# Altium PCB F767最小系统V2.0.PcbDoc
Units mm, origin at the board's own origin, x right, y up, seen from the top; angles counter-clockwise.
Board outline 80 x 80 mm, 2 copper layers (Top Layer, Bottom Layer); 61 components, 160 nets, 489 pads, 141 vias.
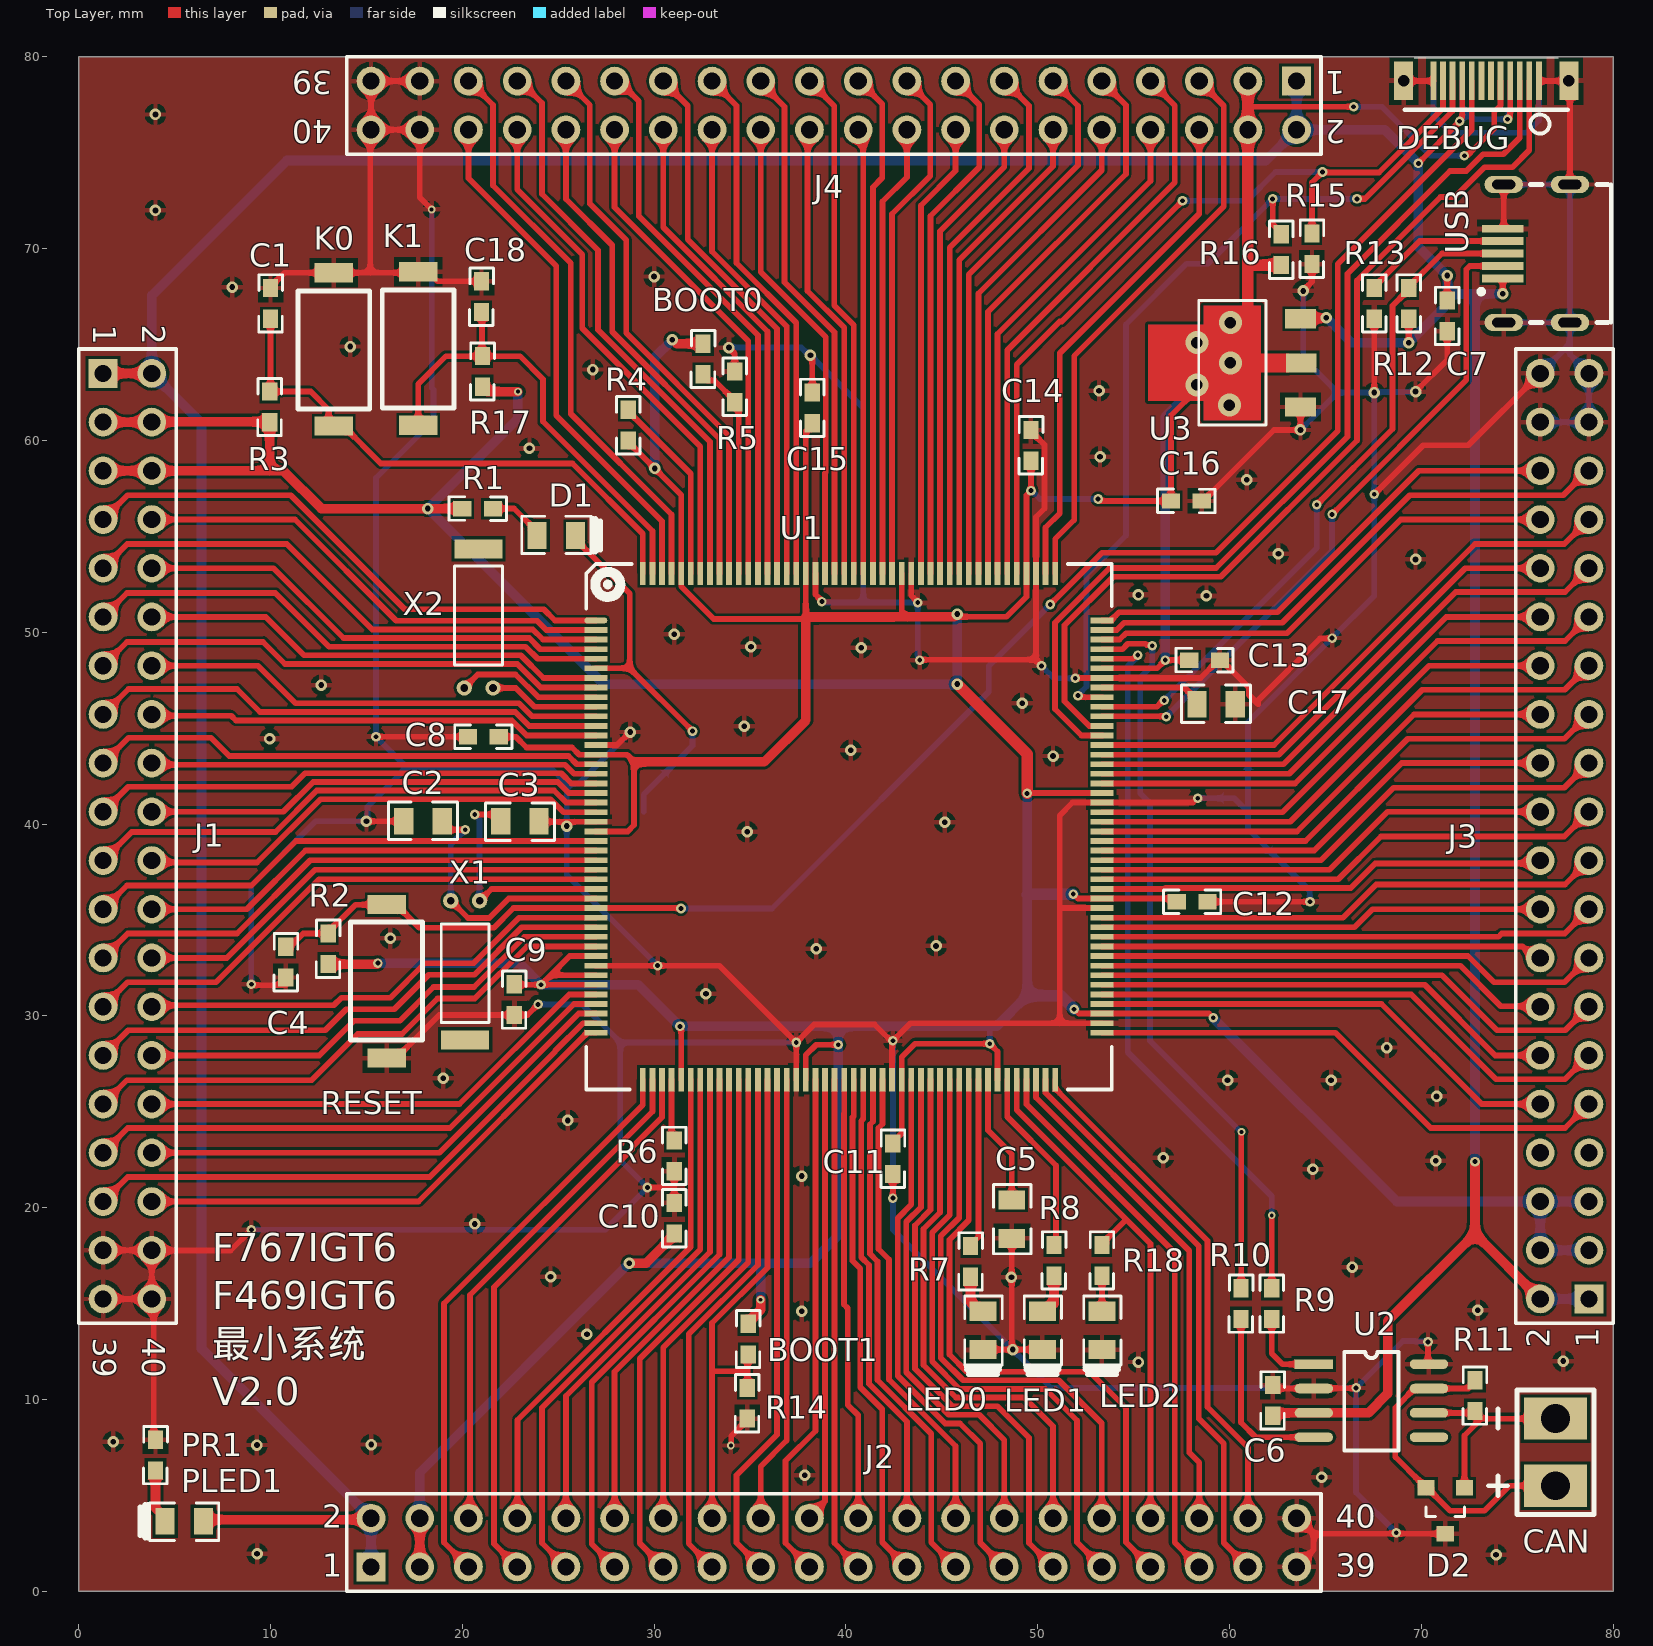
[diagram p0: Top Layer view]
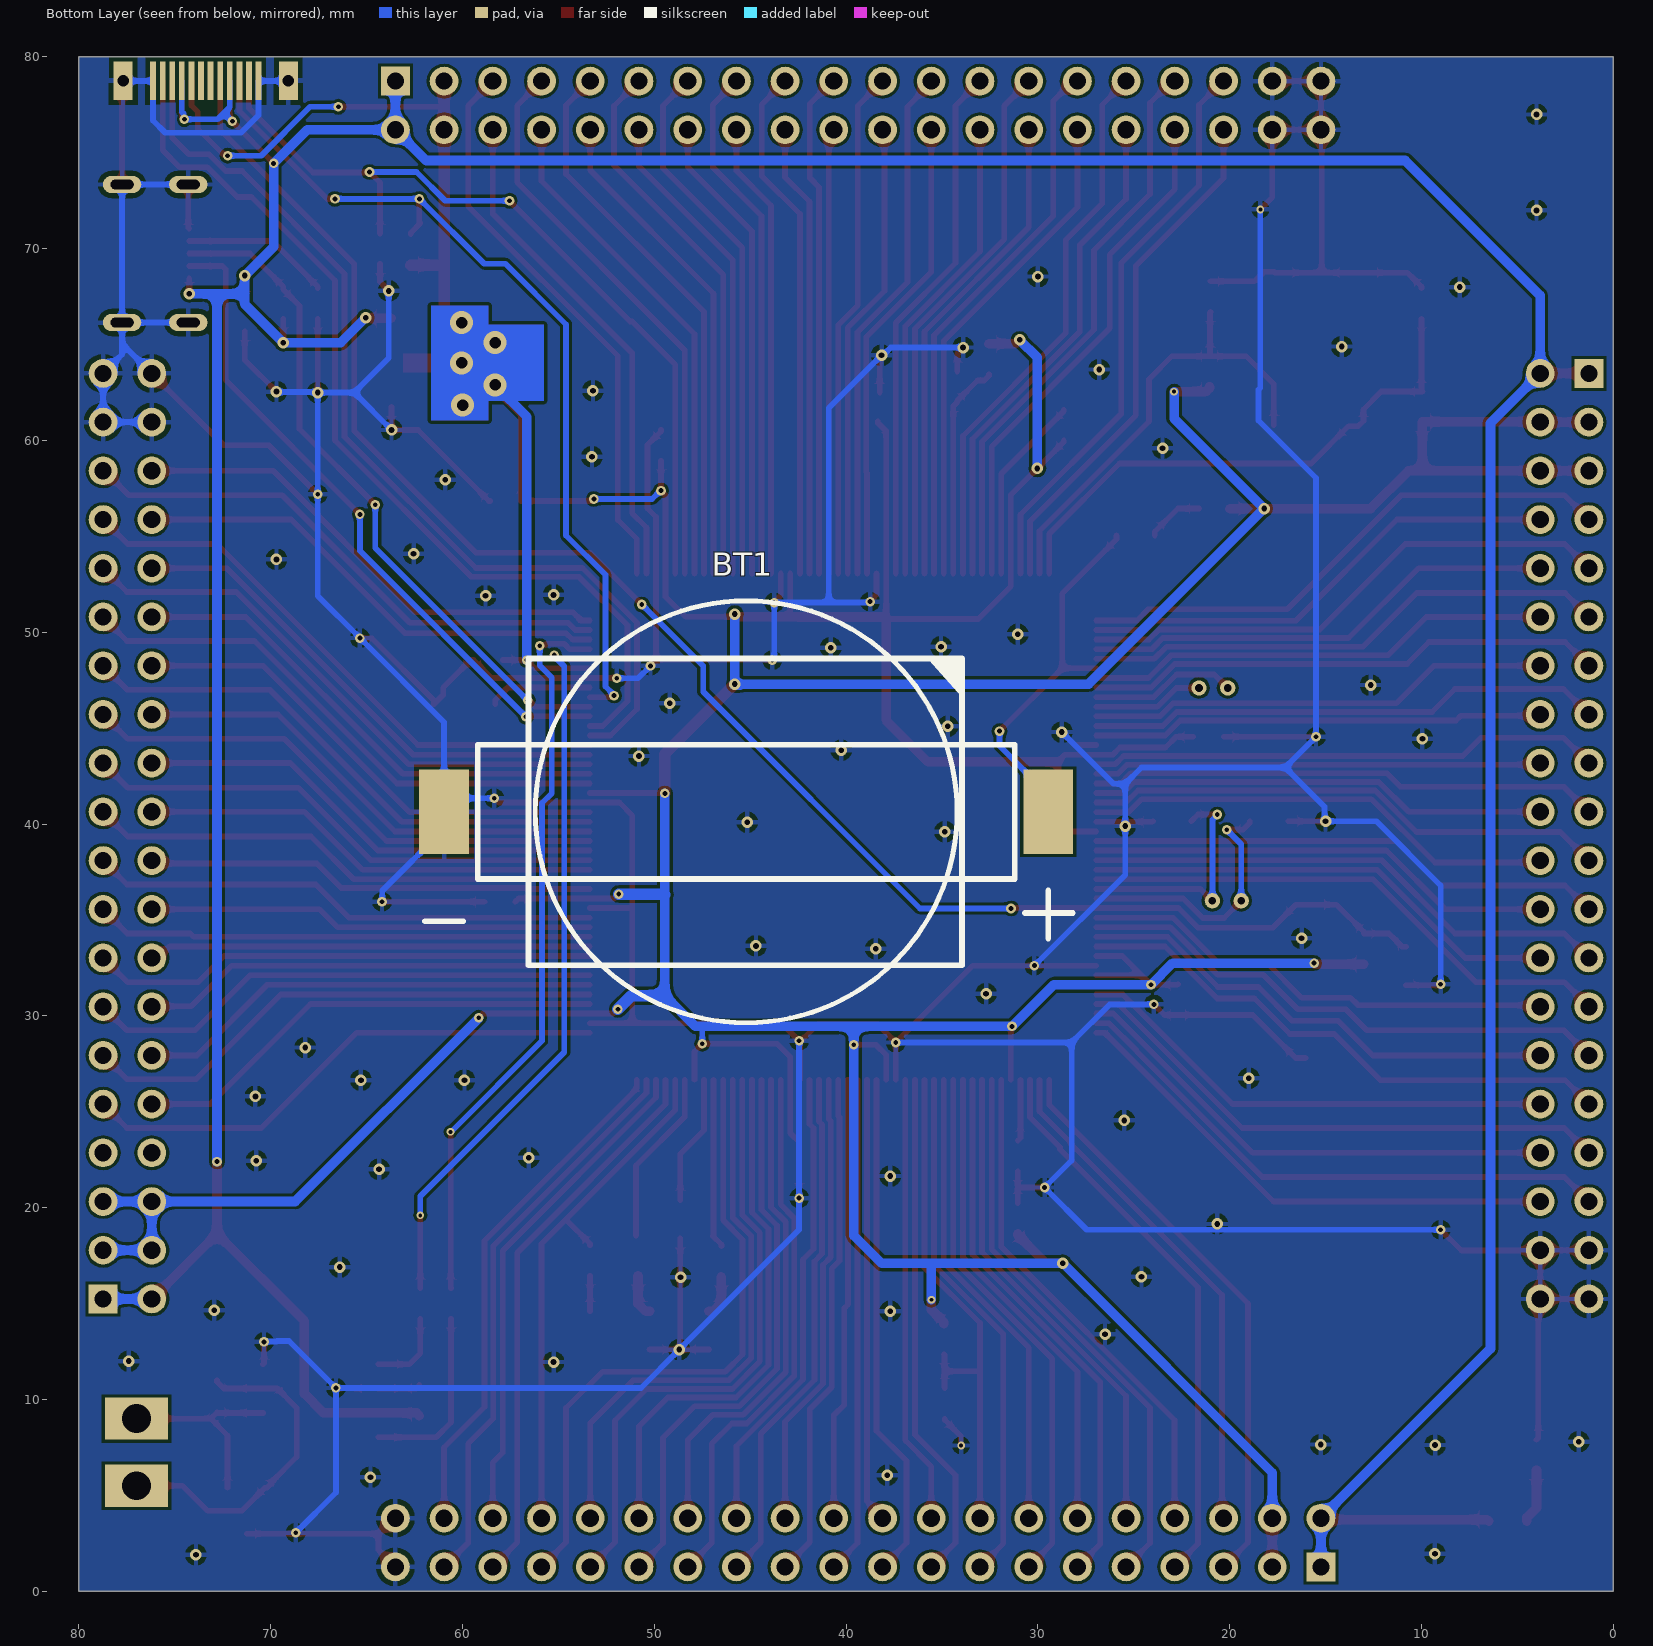
[diagram p1: Bottom Layer view, seen from below]

## Layer stack, top to bottom
Top Solder: solder mask 0.0102, Solder Resist, Dk 3.5
Top Layer: signal copper 0.0356
Dielectric 1: dielectric 0.32, FR-4, Dk 4.8
Bottom Layer: signal copper 0.0356
Bottom Solder: solder mask 0.0102, Solder Resist, Dk 3.5

## Board outline
0,0 0,80 80,80 80,0

## Design rules (kind name [scope] priority, off if disabled: settings)
Clearance [All] p1: gap=0.15 ignorepadtopadclearanceinfootprint=FALSE
HoleToHoleClearance [All] p1: gap=0.2 allowstackedmicrovias=TRUE
MinimumSolderMaskSliver [All] p1: minsoldermaskwidth=0
PolygonConnect [All] p1: connectstyle=Relief reliefconductorwidth=0.254 reliefentries=4 polygonreliefangle="90 Angle" airgapwidth=0.254
RoomDefinition F767最小系统V2.0 [InComponentClass('F767最小系统V2.0')] p1: confinementstyle=ConfineOut formatcopy=TRUE lockcomponents=FALSE outline -5.9,0.55 -5.3,0.55 -5.3,1 -5.9,1
RoutingVias [All] p1: holewidth=0.2 width=0.4 viastyle="Through Hole" minholewidth=0.15 minwidth=0.3 maxholewidth=1 maxwidth=2
SilkToSilkClearance [All] p1: silktosilkclearance=0
SilkToSolderMaskClearance [IsPad] p1: minsilkscreentomaskgap=0 clearancetoexposedcopper=TRUE
SolderMaskExpansion [All] p1: expansion=0.102 istentingtop=FALSE
Width [InNet('+3.3')] p1: maxlimit=2 minlimit=0.25 preferedwidth=0.4
Width +5 [InNet('+5')] p2: maxlimit=2 minlimit=0.3 preferedwidth=0.5
Width +3.3 [InNet('+3.3')] p3: maxlimit=2 minlimit=0.25 preferedwidth=0.4
26 further rules are at their usual default settings.

## Components (designator, comment, footprint, x,y, rotation, side; value= is the part's Value field where it differs from the comment)
BOOT0 "KEY_M" IN_0603 32.55,63.45 r270 top
BOOT1 "KEY_M" IN_0603 34.9,13.95 r90 top
BT1 "Battery" CR2032 29.46,40.64 r0 bottom locked
C1 "0.1" IN_0603 10,66.35 r270 top
C2 "10p" IN_0805 16.95,40.15 r180 top
C3 "10p" IN_0805 24,40.15 r0 top
C4 "0.1" IN_0603 10.8,33.6 r90 top
C5 "4.7" IN_0805 48.65,20.4 r90 top
C6 "0.1" IN_0603 62.25,9.15 r270 top
C7 "0.1" IN_0603 71.35,65.7 r270 top
C8 "0.1" IN_0603 21.9,44.55 r0 top
C9 "0.1" IN_0603 22.7,31.65 r90 top
C10 "0.1" IN_0603 31.05,18.65 r270 top
C11 "0.1" IN_0603 42.45,23.35 r90 top
C12 "0.1" IN_0603 57.25,35.95 r180 top
C13 "0.1" IN_0603 57.9,48.55 r180 top
C14 "0.1" IN_0603 49.65,58.95 r270 top
C15 "0.1" IN_0603 38.25,60.9 r270 top
C16 "0.1" IN_0603 56.95,56.85 r180 top
C17 "4.7" IN_0805 58.3,46.25 r180 top
C18 "0.1" IN_0603 21,66.7 r270 top
CAN "Header 2" 3.5mm-smt-2 77,5.5 r90 top
D1 "1N4148" IN_0805D 23.9,55.05 r180 top
D2 "SM712.TCT" sot-23-123 72.25,5.4 r90 top
DEBUG "24Pin夹板式插座" type-c-24p-socket 76.135,78.75 r180 top
J1 "Header 20X2" HDR2X20 1.27,63.5 r270 top locked
J2 "Header 20X2" HDR2X20 15.24,1.27 r0 top locked
J3 "Header 20X2" HDR2X20 78.74,15.24 r90 top locked
J4 "Header 20X2" HDR2X20 63.5,78.74 r180 top locked
K0 "KEY_M" 3625 13.3,60.75 r90 top
K1 "KEY_M" 3625 17.7,60.8 r90 top
LED0 "MYLED" IN_0805D 47.15,14.6 r90 top
LED1 "MYLED" IN_0805D 50.25,14.6 r90 top
LED2 "MYLED" IN_0805D 53.35,14.6 r90 top
PLED1 "MYLED" IN_0805D 6.5,3.65 r0 top
PR1 "1K" IN_0603 4,6.3 r270 top
R1 "3.3K" IN_0603 20,56.45 r180 top
R2 "47K" IN_0603 13,34.3 r90 top
R3 "10K" IN_0603 9.95,62.55 r90 top
R4 "10K" IN_0603 28.65,61.6 r90 top
R5 "100K" IN_0603 34.2,62 r270 top
R6 "10K" IN_0603 31.05,23.5 r90 top
R7 "3.3K" IN_0603 46.5,18 r90 top
R8 "3.3K" IN_0603 50.85,18.05 r90 top
R9 "0" in_0603 62.2,15.8 r90 top
R10 "0" in_0603 60.6,15.8 r90 top
R11 "120" in_0603 72.8,9.4 r270 top
R12 "1.5K" in_0603 69.35,67.95 r90 top
R13 "100M" IN_0603 67.55,67.95 r90 top
R14 "100K" IN_0603 34.85,10.6 r90 top
R15 "10K" IN_0603 64.3,70.8 r90 top
R16 "10K" IN_0603 62.7,70.75 r90 top
R17 "10K" IN_0603 21.05,64.4 r90 top
R18 "3.3K" IN_0603 53.35,18.05 r90 top
RESET "KEY_M" 3625 16.05,35.8 r270 top
U1 "STM32F767IGT6-176" LQFP-176 26.96,50.62 r270 top locked
U2 "TJA1050" SO-8 64.4,11.84 r270 top
U3 "AMS1117-3.3" SOT-223 63.7,61.75 r0 top
USB "USB-AB" USB-MICRO-0.65 74.25,69.75 r0 top
X1 "12MHz" OSC-2X6 20.9,36 r270 top
X2 "32.768KHZ" OSC-2X6 20.1,47.1 r90 top

## Footprints (in the part's own frame and the unit in brackets; to place one, negate y for a bottom-side part, rotate by r counter-clockwise, add the part's x,y. Pads: shape width x height; smd on the part's side, far side on the other; paste and mask are expansions set on the pad)
3.5mm-smt-2 [mm]
  rect 2.2x3.3 hole 1.5: 1(0,0) 2(3.5,0)
  silkscreen extent -1.5,-2 5,3.5
3625 [mm]
  rect 1x2 smd: 1(0,0) 2(8,0)
  silkscreen extent 0.9,-1.88 7.05,1.88
CR2032 [mm]
  rect 2.6x4.4 smd: 1(0,0) 2(31.5,0)
  silkscreen extent -1.28,-11 32.5,11
HDR2X20 [mm] "Connector; Header; 20x2 Position"
  rect 1.5x1.5 hole 0.9: 1(0,0)
  round 1.5 hole 0.9: 2(0,2.54) 3(2.54,0) 4(2.54,2.54) 5(5.08,0) 6(5.08,2.54) 7(7.62,0) 8(7.62,2.54) 9(10.16,0) 10(10.16,2.54) 11(12.7,0) 12(12.7,2.54) 13(15.24,0) 14(15.24,2.54) 15(17.78,0) 16(17.78,2.54) 17(20.32,0) 18(20.32,2.54) 19(22.86,0) 20(22.86,2.54) 21(25.4,0) 22(25.4,2.54) 23(27.94,0) 24(27.94,2.54) 25(30.48,0) 26(30.48,2.54) 27(33.02,0) 28(33.02,2.54) 29(35.56,0) 30(35.56,2.54) 31(38.1,0) 32(38.1,2.54) 33(40.64,0) 34(40.64,2.54) 35(43.18,0) 36(43.18,2.54) 37(45.72,0) 38(45.72,2.54) 39(48.26,0) 40(48.26,2.54)
  silkscreen extent -1.27,-1.27 49.53,3.81
IN_0603 [mm]
  rect 0.95x0.8 smd: 1(0,0) 2(-1.6,0)
  silkscreen extent -2.29,-0.62 0.69,0.62
in_0603 [mm]
  rect 0.95x0.8 smd: 1(0,0) 2(-1.6,0)
  silkscreen extent -2.29,-0.62 0.69,0.62
IN_0805 [mm]
  rect 1x1.4 smd: 1(0,0) 2(-2,0)
  silkscreen extent -2.8,-1 0.8,0.95
IN_0805D [mm]
  rect 1x1.4 smd: 1(0,0) 2(-2,0)
  silkscreen extent -3.3,-1 0.8,0.95
LQFP-176 [mm]
  oval 0.3x1.2 smd: 1(0,0)
  rect 0.3x1.2 smd: 2(0.5,0) 3(1,0) 4(1.5,0) 5(2,0) 6(2.5,0) 7(3,0) 8(3.5,0) 9(4,0) 10(4.5,0) 11(5,0) 12(5.5,0) 13(6,0) 14(6.5,0) 15(7,0) 16(7.5,0) 17(8,0) 18(8.5,0) 19(9,0) 20(9.5,0) 21(10,0) 22(10.5,0) 23(11,0) 24(11.5,0) 25(12,0) 26(12.5,0) 27(13,0) 28(13.5,0) 29(14,0) 30(14.5,0) 31(15,0) 32(15.5,0) 33(16,0) 34(16.5,0) 35(17,0) 36(17.5,0) 37(18,0) 38(18.5,0) 39(19,0) 40(19.5,0) 41(20,0) 42(20.5,0) 43(21,0) 44(21.5,0) 89(21.5,26.4) 90(21,26.4) 91(20.5,26.4) 92(20,26.4) 93(19.5,26.4) 94(19,26.4) 95(18.5,26.4) 96(18,26.4) 97(17.5,26.4) 98(17,26.4) 99(16.5,26.4) 100(16,26.4) 101(15.5,26.4) 102(15,26.4) 103(14.5,26.4) 104(14,26.4) 105(13.5,26.4) 106(13,26.4) 107(12.5,26.4) 108(12,26.4) 109(11.5,26.4) 110(11,26.4) 111(10.5,26.4) 112(10,26.4) 113(9.5,26.4) 114(9,26.4) 115(8.5,26.4) 116(8,26.4) 117(7.5,26.4) 118(7,26.4) 119(6.5,26.4) 120(6,26.4) 121(5.5,26.4) 122(5,26.4) 123(4.5,26.4) 124(4,26.4) 125(3.5,26.4) 126(3,26.4) 127(2.5,26.4) 128(2,26.4) 129(1.5,26.4) 130(1,26.4) 131(0.5,26.4) 132(0,26.4)
  rect 1.2x0.3 smd: 45(23.95,2.45) 46(23.95,2.95) 47(23.95,3.45) 48(23.95,3.95) 49(23.95,4.45) 50(23.95,4.95) 51(23.95,5.45) 52(23.95,5.95) 53(23.95,6.45) 54(23.95,6.95) 55(23.95,7.45) 56(23.95,7.95) 57(23.95,8.45) 58(23.95,8.95) 59(23.95,9.45) 60(23.95,9.95) 61(23.95,10.45) 62(23.95,10.95) 63(23.95,11.45) 64(23.95,11.95) 65(23.95,12.45) 66(23.95,12.95) 67(23.95,13.45) 68(23.95,13.95) 69(23.95,14.45) 70(23.95,14.95) 71(23.95,15.45) 72(23.95,15.95) 73(23.95,16.45) 74(23.95,16.95) 75(23.95,17.45) 76(23.95,17.95) 77(23.95,18.45) 78(23.95,18.95) 79(23.95,19.45) 80(23.95,19.95) 81(23.95,20.45) 82(23.95,20.95) 83(23.95,21.45) 84(23.95,21.95) 85(23.95,22.45) 86(23.95,22.95) 87(23.95,23.45) 88(23.95,23.95) 133(-2.45,23.95) 134(-2.45,23.45) 135(-2.45,22.95) 136(-2.45,22.45) 137(-2.45,21.95) 138(-2.45,21.45) 139(-2.45,20.95) 140(-2.45,20.45) 141(-2.45,19.95) 142(-2.45,19.45) 143(-2.45,18.95) 144(-2.45,18.45) 145(-2.45,17.95) 146(-2.45,17.45) 147(-2.45,16.95) 148(-2.45,16.45) 149(-2.45,15.95) 150(-2.45,15.45) 151(-2.45,14.95) 152(-2.45,14.45) 153(-2.45,13.95) 154(-2.45,13.45) 155(-2.45,12.95) 156(-2.45,12.45) 157(-2.45,11.95) 158(-2.45,11.45) 159(-2.45,10.95) 160(-2.45,10.45) 161(-2.45,9.95) 162(-2.45,9.45) 163(-2.45,8.95) 164(-2.45,8.45) 165(-2.45,7.95) 166(-2.45,7.45) 167(-2.45,6.95) 168(-2.45,6.45) 169(-2.45,5.95) 170(-2.45,5.45) 171(-2.45,4.95) 172(-2.45,4.45) 173(-2.45,3.95) 174(-2.45,3.45) 175(-2.45,2.95) 176(-2.45,2.45)
  silkscreen extent -2.95,-0.5 24.45,26.9
OSC-2X6 [mm] "圆柱晶振2x6"
  rect 1x2.5 smd: 0(7.25,-0.75)
  round 0.8 hole 0.4: 1(0,0) 2(0,-1.5)
  silkscreen extent 1.2,-2 6.35,0.5
SO-8 [mm]
  rect 0.5x2 smd: 1(0,0)
  oval 0.5x2 smd: 2(1.27,0) 3(2.54,0) 4(3.81,0) 5(3.81,6) 6(2.54,6) 7(1.27,6) 8(0,6)
  silkscreen extent -0.64,1.58 4.5,4.42
sot-23-123 [mm]
  rect 0.8x0.9 smd: 1(0,0) 2(0,2) 3(-2.4,1)
  silkscreen extent -1.5,0 -1,2
SOT-223 [mm]
  rect 1.6x1 smd: 1(0,0) 2(0.05,2.3) 3(0,4.6)
  Top Layer region: -5,0.3 -5,4.3 -6,4.3 -6,0.3
  Top Layer region: -2.05,-0.7 -2.05,5.3 -5.05,5.3 -5.05,-0.7
  Top Layer region: -5.95,0.3 -5.95,4.3 -7.95,4.3 -7.95,0.3
  Top Layer region: -0.6,1.8 -0.6,2.8 -2.65,2.8 -2.65,1.8
  Bottom Layer region: -2.053,-0.703 -2.053,5.298 -5.061,5.298 -5.061,-0.703
  Bottom Layer region: -5,0.3 -5,4.3 -6,4.3 -6,0.3
  Bottom Layer region: -5.95,0.3 -5.95,4.3 -7.95,4.3 -7.95,0.3
  Bottom Layer region: -2.05,0.3 -2.05,4.3 -5.05,4.3 -5.05,0.3
  silkscreen extent -5.3,-0.95 -1.8,5.55
type-c-24p-socket [mm]
  rect 1x2 hole 0.6: 0(-1.565,0) 0(7.057,0)
  rect 0.3x2 smd: A1(0,0) A2(0.5,0) A3(1,0) A4(1.5,0) A5(2,0) A6(2.5,0) A7(3,0) A8(3.5,0) A9(4,0) A10(4.5,0) A11(5,0) A12(5.5,0)
  rect 0.3x2 smd far side: B1(5.5,0) B2(5,0) B3(4.5,0) B4(4,0) B5(3.5,0) B6(3,0) B7(2.5,0) B8(2,0) B9(1.5,0) B10(1,0) B11(0.5,0) B12(0,0)
  silkscreen extent -1.5,-1.2 7,2.75
USB-MICRO-0.65 [mm]
  oval 2x0.9 hole 0.5 slot 1.2 at 0 deg: 0(0.05,-3.6) 0(0.05,3.6) 0(3.5,-3.6) 0(3.5,3.6)
  rect 2.15x0.4 smd: 1(0,-1.3) 2(0,-0.65) 3(0,0) 4(0,0.65) 5(0,1.3)
  silkscreen extent -1.25,-3.6 5.65,3.6

## Part data
BT1: "Multicell Battery", LatestRevisionDate=17-Jul-2002, LatestRevisionNote="Re-released for DXP Platform.", PackageDescription="Battery; 2 Leads", PackageReference=BAT-2, Published=24-Mar-1999, Publisher="Altium Limited"
C1 C2 C3 C4 C5 C6 C7 C8 C9 C10 C11 C12 C13 C14 C15 C16 C17 C18: library part CAP, "Capacitor"
CAN: "Header, 2-Pin", LatestRevisionDate=17-Jul-2002, LatestRevisionNote="Re-released for DXP Platform.", Publisher="Altium Limited"
D1: library part Diode, "Default Diode", Code_JEDEC=DO-214-AB, LatestRevisionDate=17-Jul-2002, LatestRevisionNote="Re-released for DXP Platform.", PackageDescription="DO-214-AB/SMC; 2 C-Bend Leads; Body 7.9 x 5.9 mm, inc. leads (LxW)", PackageReference=SMC, PackageVersion=Sep-1996, Published=8-Jun-2000, Publisher="Altium Limited"
D2: library part TVS-712, "非对称双TVS RS485 7/12V 保护"
DEBUG: library part TYPE-C-SOCKET, "两边均有焊点"
J1 J2 J3 J4: "Header, 20-Pin, Dual row", LatestRevisionDate=17-Jul-2002, LatestRevisionNote="Re-released for DXP Platform.", Publisher="Altium Limited"
PR1 R1 R2 R3 R4 R5 R6 R7 R8 R9 R10 R11 R12 R13 R14 R15 R16 R17 R18: library part RES2
U2: "CAN收发芯片"
U3: library part AMS1117
X1 X2: library part CRYSTAL, "晶振"
U1: =LQFP-176

## Via types
v1: diameter 0.6, hole 0.3, Top Layer to Bottom Layer, 75 vias
v2: diameter 0.5, hole 0.25, Top Layer to Bottom Layer, 55 vias
v3: diameter 0.4, hole 0.2, Top Layer to Bottom Layer, 6 vias
v4: diameter 1.2, hole 0.6, Top Layer to Bottom Layer, 5 vias

## Nets (pads, with @x,y where several pads share a name; then routed paths per layer and width w, separated by ;. In a path a pad name is that pad's centre, name@x,y a point inside that pad or via, vN(x,y) a via of type N, cw(c..) or ccw(c..) an arc to the next point about the centre after c; other vN are vias at no path point)
+3.3: BOOT0.2 BOOT1.1 C8.1 C9.1 C10.1 C11.1 C12.1 C13.1 C14.1 C15.1 C16.1 DEBUG.A5 J1.3 J1.4 J1.5 J1.6 J2.3 J2.4 J3.3 J3.4 J3.5 J3.6 J4.3 J4.4 R1.1 R2.2 R3.2 R4.2 R16.2 R17.2 U1.15 U1.23 U1.36 U1.38 U1.39 U1.49 U1.62 U1.72 U1.82 U1.91 U1.103 U1.114 U1.127 U1.136 U1.149 U1.159 U1.172 U3.2 | length 416.1
  Top Layer w0.3: C8.1 22.791,44.55 23.341,44 25.718,44 26.098,43.62 U1.15 28.58,43.62 28.95,43.25 28.95,39.95 28.62,39.62 U1.23 ; C9.1 22.73,31.62 v2(24.1,31.62) ; U1.39 v2(24.1,31.62) ; U1.38 24.6,32.12 ; U1.36 25.6,33.12 24.6,32.12 ; R4.2 28.65,59.925 v1(30.03,58.545) 31.41,57.165 U1.172 31.41,52.396 33.106,50.7 37.803,50.7 37.91,50.807 U1.159 37.91,60.485 38.35,60.925 C15.1@38.35,61 ; v2(31.35,29.45) 31.35,29.423 31.41,29.363 U1.49 ; U1.62 37.91,27.96 38.45,28.5 v2(39.6,28.5) ; 37.91,50.7 42.5,50.7 42.607,50.807 ; C11.1 42.45,23.425 42.91,23.885 U1.72 42.91,27.86 43.6,28.55 v2(47.5,28.55) 47.91,28.14 U1.82 ; U1.149 42.91,51.11 43.213,50.807 ; v1@45.657,50.807 48.367,50.807 49.41,51.85 U1.136 49.41,57.15 v2(49.65,57.39) C14.1 ; v2(49.45,41.6) 49.477,41.6 49.497,41.62 U1.114 ; v2(51.85,36.35) 51.877,36.35 52.107,36.12 U1.103 57.08,36.12 C12.1 ; v2(51.9,30.35) 51.927,30.35 52.157,30.12 U1.91 58.93,30.12 v2(59.15,29.9) ; v2(53.15,56.95) 53.177,56.95 53.277,56.85 C16.1 56.95,61.3 58.3,62.65 v4(58.3,62.9) ; U1.127 56.22,48.12 v2(56.65,48.55) C13.1 ; 60.96,77.47 61.03,77.4 v2(66.473,77.4) ; v2(72.25,74.85) 72.288,74.888 72.438,74.888 73.8,76.25 73.8,77.128 74.135,77.463 DEBUG.A5 ; v2(24.1,31.62) 24.6,32.12
  Top Layer w0.5: J1.5 J1.6 9.95,58.42 ; J1.3 J1.4 3.83,60.98 9.95,60.98 9.95,58.42 ; R2.2 15.55,32.7 v2(15.6,32.75) ; J2.3 J2.4 ; R1.1 v1(18.2,56.45) 12.65,56.45 10.68,58.42 9.95,58.42 ; R17.2 21.05,62.725 21.2,62.575 21.275,62.575 21.3,62.55 v3(22.9,62.55) ; v1(28.7,17.1) 29.575,17.1 31.05,18.575 C10.1 ; 28.95,43.25 35.75,43.25 37.91,45.41 37.91,50.7 ; 31.177,65.05 BOOT0.2 ; BOOT1.1 34.9,14.025 35.55,14.675 v3(35.55,15.2) ; 37.91,50.807 42.607,50.807 43.213,50.807 v1@45.657,50.807
  Top Layer w0.6: v1(45.8,47.3) 49.45,43.65 v2(49.45,41.6) ; v4(60.05,66.15) 60.36,66.15 60.96,66.75 60.96,69.1 ; J4.3 60.96,77.47 J4.4 60.96,69.1 ; R16.2 61.01,69.15 60.96,69.1
  Bottom Layer w0.3: v2(47.5,28.55) 47.5,29.35 47.6,29.45 ; v2(49.65,57.39) 49.677,57.39 50.117,56.95 v2(53.15,56.95) ; v2(66.473,77.4) 67.95,77.4 70.5,74.85 v2(72.25,74.85)
  Bottom Layer w0.5: v2(15.6,32.75) 22.97,32.75 v2(24.1,31.62) 29.18,31.62 v2(31.35,29.45) 39.6,29.45 ; J2.4 17.78,6.18 v1(28.7,17.1) 35.6,17.1 ; v3(22.9,62.55) 22.9,61.15 v1(18.2,56.45) 27.35,47.3 45.55,47.3 45.8,47.55 v1(45.8,50.95) ; v1(30.03,58.545) 30.03,64.33 v1(30.95,65.25) ; v3(35.55,15.2) 35.55,17.05 35.6,17.1 ; v2(49.45,41.6) 49.45,36.325 49.45,31.05 47.85,29.45 47.6,29.45 39.6,29.45 ; v2(56.65,48.55) 56.65,61.25 v4(58.3,62.9) ; v2(59.15,29.9) 68.73,20.32 J3.6 ; J3.3 J3.4 J3.6 ; J3.5 J3.6 ; 35.6,17.1 38.15,17.1 39.6,18.55 v2(39.6,28.5) 39.6,29.45
  Bottom Layer w0.6: v1@45.55,47.3 v1(45.8,47.3) ; 49.45,31.05 51.2,31.05 v2(51.9,30.35) ; 49.45,36.325 49.475,36.35 v2(51.85,36.35)
  other v4: 60,61.85 60.05,64.05 58.3,65.1
+5: C6.1 C7.2 DEBUG.A4 DEBUG.A9 DEBUG.B4 DEBUG.B9 J1.1 J1.2 J2.1 J2.2 J3.1 J3.2 J4.1 J4.2 PLED1.1 R12.2 U2.3 U3.3 USB.1 | length 267.1
  Top Layer w0.3: U3.3 63.731,66.381 63.75,66.4 v1(65.05,66.4) ; v1(69.35,65.1) R12.2 ; v2(69.85,74.45) 69.85,74.475 72,76.625 v2(72,76.65) ; C7.2 v1(71.35,68.6) ; DEBUG.A9 72.135,76.839 v2@72.085,76.789 ; v1(74.25,67.65) USB.1 ; v2(74.5,76.75) 74.635,76.885 DEBUG.A4 ; v2(72,76.65) 72,76.704 v2@72.085,76.789 ; v2(72,76.65) 72.085,76.735 v2@72.085,76.789